# Altium PCB top_INA_v3.PcbDoc (part 4 of 5) (continued)
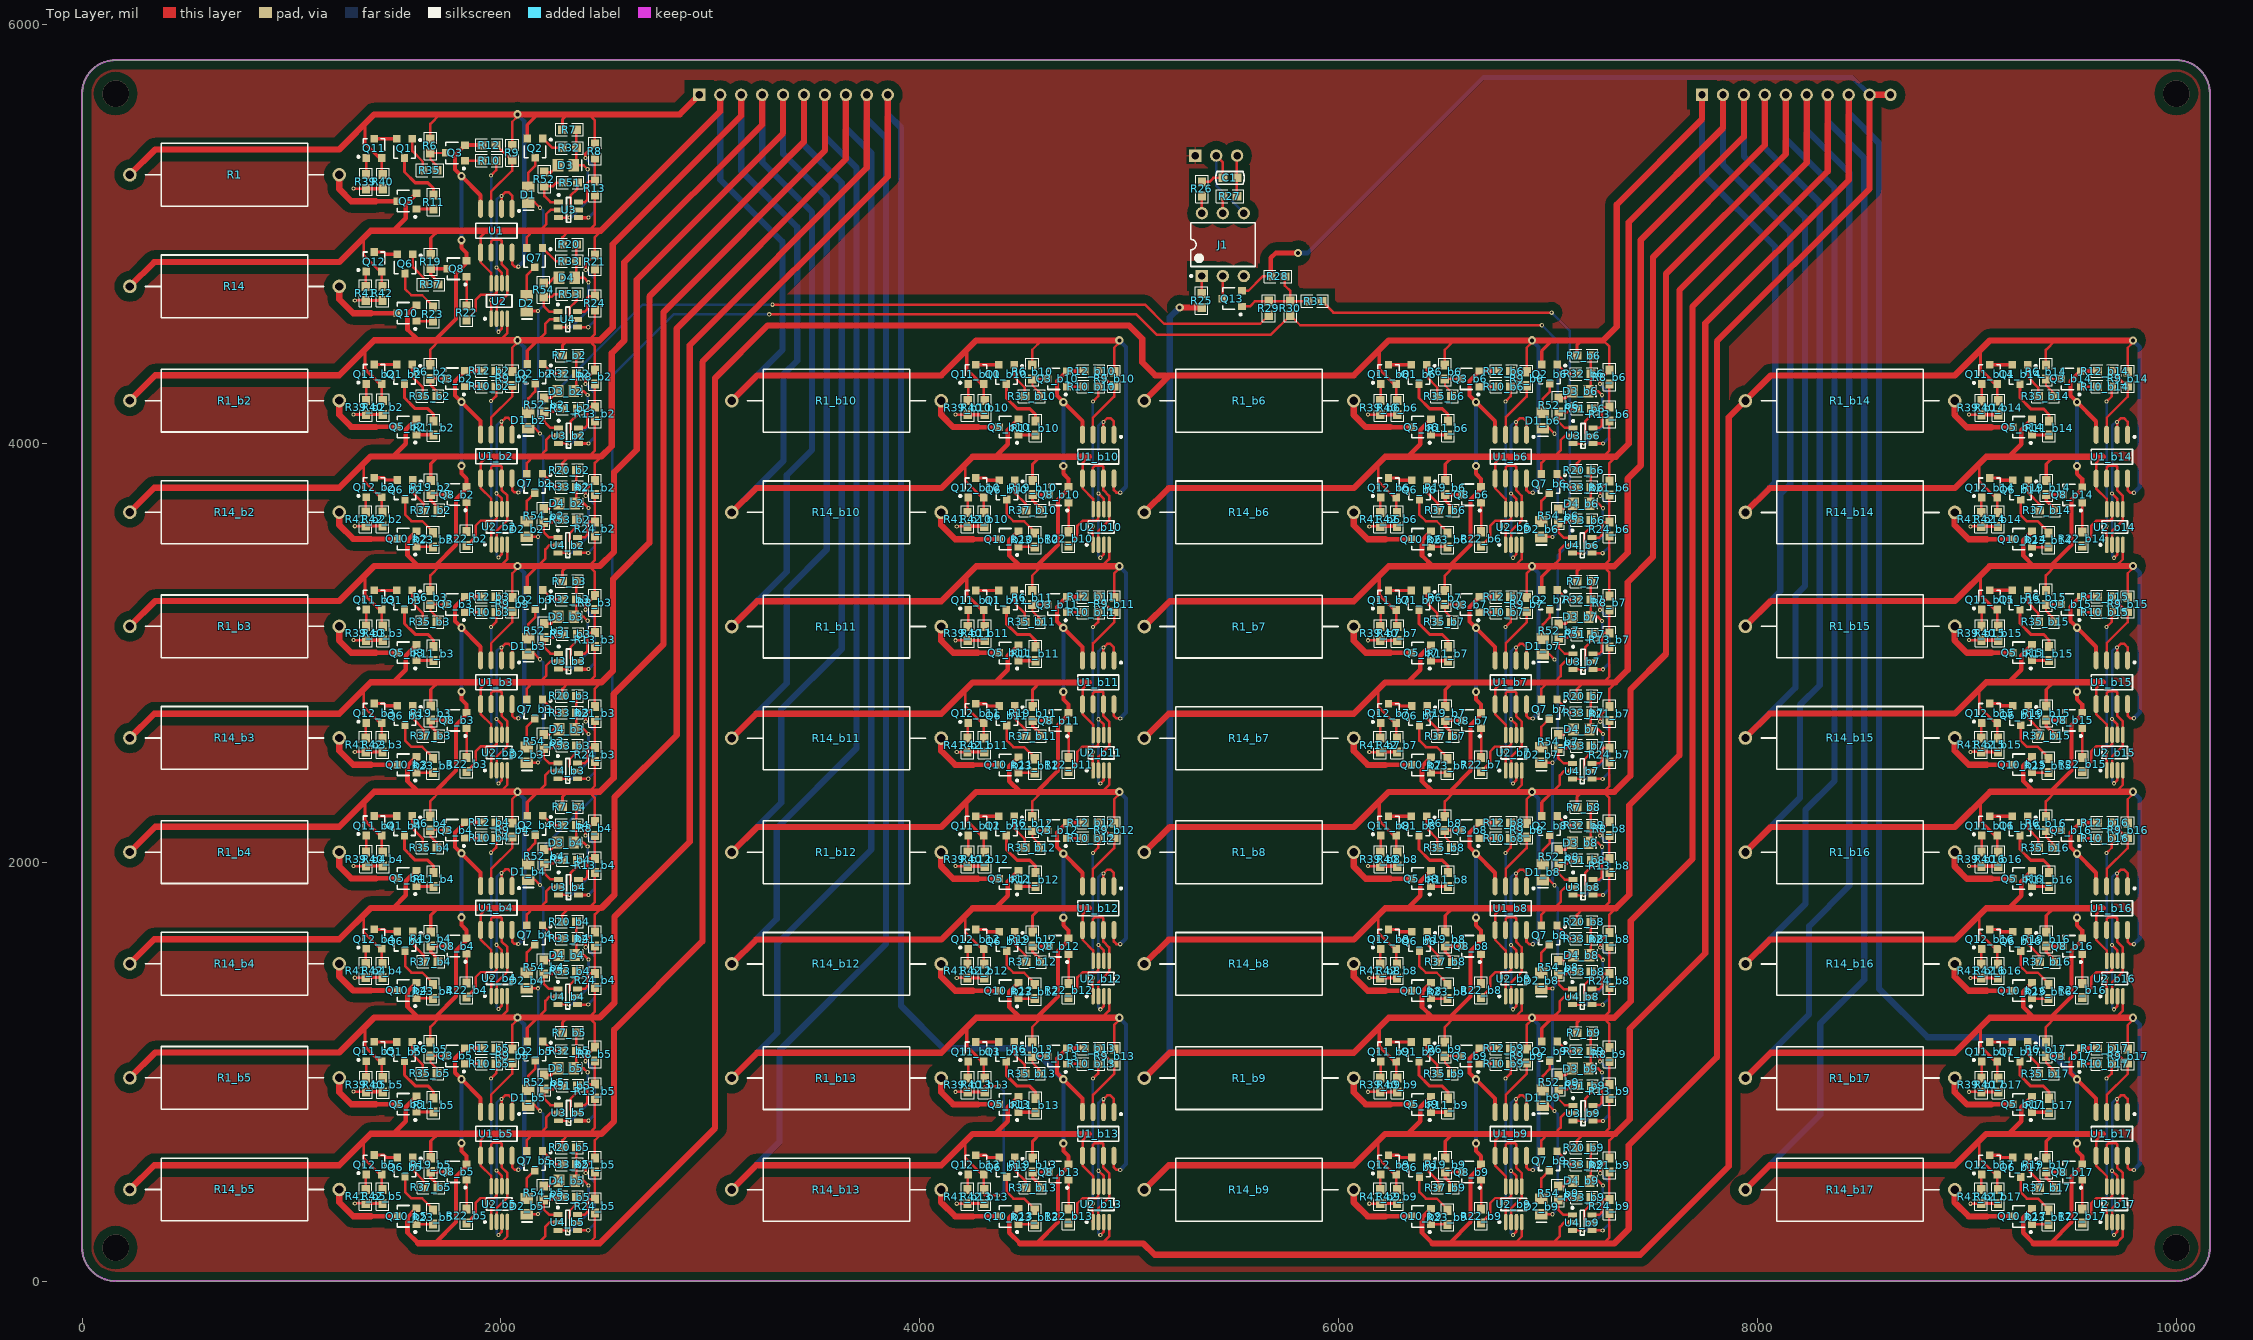
[diagram p0: Top Layer view]
## Nets (pads, with @x,y where several pads share a name; then routed paths per layer and width w, separated by ;. In a path a pad name is that pad's centre, name@x,y a point inside that pad or via, vN(x,y) a via of type N, cw(c..) or ccw(c..) an arc to the next point about the centre after c; other vN are vias at no path point) (continued)
NetQ1_b17_3: Q1_b17.3 R11_b17.2 | length 268.8
  Top Layer w15: Q1_b17.3@9253.39,1048.81 9253.39,982.54 9304.86,931.07 9365.25,931.07 9391.99,904.33 R11_b17.2@9391.99,872.8
NetQ2_1: Q2.1 R32.2 | length 111.9
  Top Layer w12: Q2.1@2200.4,5456.26 2245.66,5411 R32.2@2293.54,5411
NetQ2_b2_1: Q2_b2.1 R32_b2.2 | length 111.9
  Top Layer w12: Q2_b2.1@2200.41,4378.19 2245.67,4332.93 R32_b2.2@2293.54,4332.93
NetQ2_b3_1: Q2_b3.1 R32_b3.2 | length 111.9
  Top Layer w12: Q2_b3.1@2200.41,3300.19 2245.67,3254.93 R32_b3.2@2293.54,3254.93
NetQ2_b4_1: Q2_b4.1 R32_b4.2 | length 111.9
  Top Layer w12: Q2_b4.1@2200.41,2222.19 2245.67,2176.93 R32_b4.2@2293.54,2176.93
NetQ2_b5_1: Q2_b5.1 R32_b5.2 | length 111.9
  Top Layer w12: Q2_b5.1@2200.41,1144.19 2245.67,1098.93 R32_b5.2@2293.54,1098.93
NetQ2_b6_1: Q2_b6.1 R32_b6.2 | length 111.9
  Top Layer w12: Q2_b6.1@7044.4,4377.26 7089.66,4332 R32_b6.2@7137.54,4332
NetQ2_b7_1: Q2_b7.1 R32_b7.2 | length 111.9
  Top Layer w12: Q2_b7.1@7044.4,3299.26 7089.66,3254 R32_b7.2@7137.54,3254
NetQ2_b8_1: Q2_b8.1 R32_b8.2 | length 111.9
  Top Layer w12: Q2_b8.1@7044.4,2221.26 7089.66,2176 R32_b8.2@7137.54,2176
NetQ2_b9_1: Q2_b9.1 R32_b9.2 | length 111.9
  Top Layer w12: Q2_b9.1@7044.4,1143.26 7089.66,1098 R32_b9.2@7137.54,1098
NetQ2_b10_1: 
NetQ2_b11_1: 
NetQ2_b12_1: 
NetQ2_b13_1: 
NetQ2_b14_1: 
NetQ2_b15_1: 
NetQ2_b16_1: 
NetQ2_b17_1: 
NetQ3_1: Q3.1 R10.1 | length 80.9
  Top Layer w12: Q3.1@1828.98,5349.61 R10.1@1909.86,5349.61
NetQ3_3: Q3.3 R6.1 R35.1 | length 169
  Top Layer w10: R35.1@1694.32,5304.07 1694.32,5325.61 1663.26,5356.67 1663.26,5387.01 Q3.3@1736.46,5387.01
NetQ3_b2_1: Q3_b2.1 R10_b2.1 | length 80.9
  Top Layer w12: Q3_b2.1@1828.99,4271.54 R10_b2.1@1909.87,4271.54
NetQ3_b2_3: Q3_b2.3 R6_b2.1 R35_b2.1 | length 169
  Top Layer w10: R35_b2.1@1694.33,4226 1694.33,4247.54 1663.27,4278.6 1663.27,4308.94 Q3_b2.3@1736.47,4308.94
NetQ3_b3_1: Q3_b3.1 R10_b3.1 | length 80.9
  Top Layer w12: Q3_b3.1@1828.99,3193.54 R10_b3.1@1909.87,3193.54
NetQ3_b3_3: Q3_b3.3 R6_b3.1 R35_b3.1 | length 169
  Top Layer w10: R35_b3.1@1694.33,3148 1694.33,3169.54 1663.27,3200.6 1663.27,3230.94 Q3_b3.3@1736.47,3230.94
NetQ3_b4_1: Q3_b4.1 R10_b4.1 | length 80.9
  Top Layer w12: Q3_b4.1@1828.99,2115.54 R10_b4.1@1909.87,2115.54
NetQ3_b4_3: Q3_b4.3 R6_b4.1 R35_b4.1 | length 169
  Top Layer w10: R35_b4.1@1694.33,2070 1694.33,2091.54 1663.27,2122.6 1663.27,2152.94 Q3_b4.3@1736.47,2152.94
NetQ3_b5_1: Q3_b5.1 R10_b5.1 | length 80.9
  Top Layer w12: Q3_b5.1@1828.99,1037.54 R10_b5.1@1909.87,1037.54
NetQ3_b5_3: Q3_b5.3 R6_b5.1 R35_b5.1 | length 169
  Top Layer w10: R35_b5.1@1694.33,992 1694.33,1013.54 1663.27,1044.6 1663.27,1074.94 Q3_b5.3@1736.47,1074.94
NetQ3_b6_1: Q3_b6.1 R10_b6.1 | length 80.9
  Top Layer w12: Q3_b6.1@6672.98,4270.61 R10_b6.1@6753.86,4270.61
NetQ3_b6_3: Q3_b6.3 R6_b6.1 R35_b6.1 | length 169
  Top Layer w10: R35_b6.1@6538.32,4225.07 6538.32,4246.61 6507.26,4277.67 6507.26,4308.01 Q3_b6.3@6580.46,4308.01
NetQ3_b7_1: Q3_b7.1 R10_b7.1 | length 80.9
  Top Layer w12: Q3_b7.1@6672.98,3192.61 R10_b7.1@6753.86,3192.61
NetQ3_b7_3: Q3_b7.3 R6_b7.1 R35_b7.1 | length 169
  Top Layer w10: R35_b7.1@6538.32,3147.07 6538.32,3168.61 6507.26,3199.67 6507.26,3230.01 Q3_b7.3@6580.46,3230.01
NetQ3_b8_1: Q3_b8.1 R10_b8.1 | length 80.9
  Top Layer w12: Q3_b8.1@6672.98,2114.61 R10_b8.1@6753.86,2114.61
NetQ3_b8_3: Q3_b8.3 R6_b8.1 R35_b8.1 | length 169
  Top Layer w10: R35_b8.1@6538.32,2069.07 6538.32,2090.61 6507.26,2121.67 6507.26,2152.01 Q3_b8.3@6580.46,2152.01
NetQ3_b9_1: Q3_b9.1 R10_b9.1 | length 80.9
  Top Layer w12: Q3_b9.1@6672.98,1036.61 R10_b9.1@6753.86,1036.61
NetQ3_b9_3: Q3_b9.3 R6_b9.1 R35_b9.1 | length 169
  Top Layer w10: R35_b9.1@6538.32,991.07 6538.32,1012.61 6507.26,1043.67 6507.26,1074.01 Q3_b9.3@6580.46,1074.01
NetQ3_b10_1: Q3_b10.1 R10_b10.1 | length 80.9
  Top Layer w12: Q3_b10.1@4702.98,4270.61 R10_b10.1@4783.86,4270.61
NetQ3_b10_3: Q3_b10.3 R6_b10.1 R35_b10.1 | length 169
  Top Layer w10: R35_b10.1@4568.32,4225.07 4568.32,4246.61 4537.26,4277.67 4537.26,4308.01 Q3_b10.3@4610.46,4308.01
NetQ3_b11_1: Q3_b11.1 R10_b11.1 | length 80.9
  Top Layer w12: Q3_b11.1@4702.98,3192.61 R10_b11.1@4783.86,3192.61
NetQ3_b11_3: Q3_b11.3 R6_b11.1 R35_b11.1 | length 169
  Top Layer w10: R35_b11.1@4568.32,3147.07 4568.32,3168.61 4537.26,3199.67 4537.26,3230.01 Q3_b11.3@4610.46,3230.01
NetQ3_b12_1: Q3_b12.1 R10_b12.1 | length 80.9
  Top Layer w12: Q3_b12.1@4702.98,2114.61 R10_b12.1@4783.86,2114.61
NetQ3_b12_3: Q3_b12.3 R6_b12.1 R35_b12.1 | length 169
  Top Layer w10: R35_b12.1@4568.32,2069.07 4568.32,2090.61 4537.26,2121.67 4537.26,2152.01 Q3_b12.3@4610.46,2152.01
NetQ3_b13_1: Q3_b13.1 R10_b13.1 | length 80.9
  Top Layer w12: Q3_b13.1@4702.98,1036.61 R10_b13.1@4783.86,1036.61
NetQ3_b13_3: Q3_b13.3 R6_b13.1 R35_b13.1 | length 169
  Top Layer w10: R35_b13.1@4568.32,991.07 4568.32,1012.61 4537.26,1043.67 4537.26,1074.01 Q3_b13.3@4610.46,1074.01
NetQ3_b14_1: Q3_b14.1 R10_b14.1 | length 80.9
  Top Layer w12: Q3_b14.1@9542.98,4270.35 R10_b14.1@9623.86,4270.35
NetQ3_b14_3: Q3_b14.3 R6_b14.1 R35_b14.1 | length 169
  Top Layer w10: R35_b14.1@9408.32,4224.81 9408.32,4246.35 9377.26,4277.41 9377.26,4307.75 Q3_b14.3@9450.46,4307.75
NetQ3_b15_1: Q3_b15.1 R10_b15.1 | length 80.9
  Top Layer w12: Q3_b15.1@9542.98,3193.61 R10_b15.1@9623.86,3193.61
NetQ3_b15_3: Q3_b15.3 R6_b15.1 R35_b15.1 | length 169
  Top Layer w10: R35_b15.1@9408.32,3148.07 9408.32,3169.61 9377.26,3200.67 9377.26,3231.01 Q3_b15.3@9450.46,3231.01
NetQ3_b16_1: Q3_b16.1 R10_b16.1 | length 80.9
  Top Layer w12: Q3_b16.1@9542.98,2114.61 R10_b16.1@9623.86,2114.61
NetQ3_b16_3: Q3_b16.3 R6_b16.1 R35_b16.1 | length 169
  Top Layer w10: R35_b16.1@9408.32,2069.07 9408.32,2090.61 9377.26,2121.67 9377.26,2152.01 Q3_b16.3@9450.46,2152.01
NetQ3_b17_1: Q3_b17.1 R10_b17.1 | length 80.9
  Top Layer w12: Q3_b17.1@9542.98,1036.61 R10_b17.1@9623.86,1036.61
NetQ3_b17_3: Q3_b17.3 R6_b17.1 R35_b17.1 | length 169
  Top Layer w10: R35_b17.1@9408.32,991.07 9408.32,1012.61 9377.26,1043.67 9377.26,1074.01 Q3_b17.3@9450.46,1074.01
NetQ5_1: Q5.1 R11.1 | length 80.5
  Top Layer w15: Q5.1@1597.46,5118.87 R11.1@1677.99,5118.87
NetQ5_3: Q5.3 R1.1 | length 368.5
  Top Layer w22: 1402.72,5156.61 Q5.3@1504.6,5156.61
  Top Layer w30: R1.1@1227.99,5282.33 1227.99,5214.33 1285.72,5156.61 1402.72,5156.61
NetQ5_b2_1: Q5_b2.1 R11_b2.1 | length 80.5
  Top Layer w15: Q5_b2.1@1597.46,4040.8 R11_b2.1@1678,4040.8
NetQ5_b2_3: Q5_b2.3 R1_b2.1 | length 368.5
  Top Layer w22: 1402.72,4078.54 Q5_b2.3@1504.61,4078.54
  Top Layer w30: R1_b2.1@1228,4204.26 1228,4136.26 1285.72,4078.54 1402.72,4078.54
NetQ5_b3_1: Q5_b3.1 R11_b3.1 | length 80.5
  Top Layer w15: Q5_b3.1@1597.46,2962.8 R11_b3.1@1678,2962.8
NetQ5_b3_3: Q5_b3.3 R1_b3.1 | length 368.5
  Top Layer w22: 1402.72,3000.54 Q5_b3.3@1504.61,3000.54
  Top Layer w30: R1_b3.1@1228,3126.26 1228,3058.26 1285.72,3000.54 1402.72,3000.54
NetQ5_b4_1: Q5_b4.1 R11_b4.1 | length 80.5
  Top Layer w15: Q5_b4.1@1597.46,1884.8 R11_b4.1@1678,1884.8
NetQ5_b4_3: Q5_b4.3 R1_b4.1 | length 368.5
  Top Layer w22: 1402.72,1922.54 Q5_b4.3@1504.61,1922.54
  Top Layer w30: R1_b4.1@1228,2048.26 1228,1980.26 1285.72,1922.54 1402.72,1922.54
NetQ5_b5_1: Q5_b5.1 R11_b5.1 | length 80.5
  Top Layer w15: Q5_b5.1@1597.46,806.8 R11_b5.1@1678,806.8
NetQ5_b5_3: Q5_b5.3 R1_b5.1 | length 368.5
  Top Layer w22: 1402.72,844.54 Q5_b5.3@1504.61,844.54
  Top Layer w30: R1_b5.1@1228,970.26 1228,902.26 1285.72,844.54 1402.72,844.54
NetQ5_b6_1: Q5_b6.1 R11_b6.1 | length 80.5
  Top Layer w15: Q5_b6.1@6441.46,4039.87 R11_b6.1@6521.99,4039.87
NetQ5_b6_3: Q5_b6.3 R1_b6.1 | length 368.5
  Top Layer w22: 6246.72,4077.61 Q5_b6.3@6348.6,4077.61
  Top Layer w30: R1_b6.1@6071.99,4203.33 6071.99,4135.33 6129.72,4077.61 6246.72,4077.61
NetQ5_b7_1: Q5_b7.1 R11_b7.1 | length 80.5
  Top Layer w15: Q5_b7.1@6441.46,2961.87 R11_b7.1@6521.99,2961.87
NetQ5_b7_3: Q5_b7.3 R1_b7.1 | length 368.5
  Top Layer w22: 6246.72,2999.61 Q5_b7.3@6348.6,2999.61
  Top Layer w30: R1_b7.1@6071.99,3125.33 6071.99,3057.33 6129.72,2999.61 6246.72,2999.61
NetQ5_b8_1: Q5_b8.1 R11_b8.1 | length 80.5
  Top Layer w15: Q5_b8.1@6441.46,1883.87 R11_b8.1@6521.99,1883.87
NetQ5_b8_3: Q5_b8.3 R1_b8.1 | length 368.5
  Top Layer w22: 6246.72,1921.61 Q5_b8.3@6348.6,1921.61
  Top Layer w30: R1_b8.1@6071.99,2047.33 6071.99,1979.33 6129.72,1921.61 6246.72,1921.61
NetQ5_b9_1: Q5_b9.1 R11_b9.1 | length 80.5
  Top Layer w15: Q5_b9.1@6441.46,805.87 R11_b9.1@6521.99,805.87
NetQ5_b9_3: Q5_b9.3 R1_b9.1 | length 368.5
  Top Layer w22: 6246.72,843.61 Q5_b9.3@6348.6,843.61
  Top Layer w30: R1_b9.1@6071.99,969.33 6071.99,901.33 6129.72,843.61 6246.72,843.61
NetQ5_b10_1: Q5_b10.1 R11_b10.1 | length 80.5
  Top Layer w15: Q5_b10.1@4471.46,4039.87 R11_b10.1@4551.99,4039.87
NetQ5_b10_3: Q5_b10.3 R1_b10.1 | length 368.5
  Top Layer w22: 4276.72,4077.61 Q5_b10.3@4378.6,4077.61
  Top Layer w30: R1_b10.1@4101.99,4203.33 4101.99,4135.33 4159.72,4077.61 4276.72,4077.61
NetQ5_b11_1: Q5_b11.1 R11_b11.1 | length 80.5
  Top Layer w15: Q5_b11.1@4471.46,2961.87 R11_b11.1@4551.99,2961.87
NetQ5_b11_3: Q5_b11.3 R1_b11.1 | length 368.5
  Top Layer w22: 4276.72,2999.61 Q5_b11.3@4378.6,2999.61
  Top Layer w30: R1_b11.1@4101.99,3125.33 4101.99,3057.33 4159.72,2999.61 4276.72,2999.61
NetQ5_b12_1: Q5_b12.1 R11_b12.1 | length 80.5
  Top Layer w15: Q5_b12.1@4471.46,1883.87 R11_b12.1@4551.99,1883.87
NetQ5_b12_3: Q5_b12.3 R1_b12.1 | length 368.5
  Top Layer w22: 4276.72,1921.61 Q5_b12.3@4378.6,1921.61
  Top Layer w30: R1_b12.1@4101.99,2047.33 4101.99,1979.33 4159.72,1921.61 4276.72,1921.61
NetQ5_b13_1: Q5_b13.1 R11_b13.1 | length 80.5
  Top Layer w15: Q5_b13.1@4471.46,805.87 R11_b13.1@4551.99,805.87
NetQ5_b13_3: Q5_b13.3 R1_b13.1 | length 368.5
  Top Layer w22: 4276.72,843.61 Q5_b13.3@4378.6,843.61
  Top Layer w30: R1_b13.1@4101.99,969.33 4101.99,901.33 4159.72,843.61 4276.72,843.61
NetQ5_b14_1: Q5_b14.1 R11_b14.1 | length 80.5
  Top Layer w15: Q5_b14.1@9311.46,4039.61 R11_b14.1@9391.99,4039.61
NetQ5_b14_3: Q5_b14.3 R1_b14.1 | length 368.5
  Top Layer w22: 9116.72,4077.35 Q5_b14.3@9218.6,4077.35
  Top Layer w30: R1_b14.1@8941.99,4203.07 8941.99,4135.07 8999.72,4077.35 9116.72,4077.35
NetQ5_b15_1: Q5_b15.1 R11_b15.1 | length 80.5
  Top Layer w15: Q5_b15.1@9311.46,2962.87 R11_b15.1@9391.99,2962.87
NetQ5_b15_3: Q5_b15.3 R1_b15.1 | length 368.5
  Top Layer w22: 9116.72,3000.61 Q5_b15.3@9218.6,3000.61
  Top Layer w30: R1_b15.1@8941.99,3126.33 8941.99,3058.33 8999.72,3000.61 9116.72,3000.61
NetQ5_b16_1: Q5_b16.1 R11_b16.1 | length 80.5
  Top Layer w15: Q5_b16.1@9311.46,1883.87 R11_b16.1@9391.99,1883.87
NetQ5_b16_3: Q5_b16.3 R1_b16.1 | length 368.5
  Top Layer w22: 9116.72,1921.61 Q5_b16.3@9218.6,1921.61
  Top Layer w30: R1_b16.1@8941.99,2047.33 8941.99,1979.33 8999.72,1921.61 9116.72,1921.61
NetQ5_b17_1: Q5_b17.1 R11_b17.1 | length 80.5
  Top Layer w15: Q5_b17.1@9311.46,805.87 R11_b17.1@9391.99,805.87
NetQ5_b17_3: Q5_b17.3 R1_b17.1 | length 368.5
  Top Layer w22: 9116.72,843.61 Q5_b17.3@9218.6,843.61
  Top Layer w30: R1_b17.1@8941.99,969.33 8941.99,901.33 8999.72,843.61 9116.72,843.61
NetQ6_1: Q6.1 R37.2 | length 165.8
  Top Layer w12: Q6.1@1579.26,4902.87 1579.26,4841.67 1632.39,4788.54 R37.2@1632.39,4759.07
NetQ6_2: Q6.2 Q12.3 | length 114.9
  Top Layer w15: Q12.3@1393.99,4913.59 1441.73,4913.59 1452.46,4902.87 Q6.2@1504.46,4902.87
NetQ6_3: Q6.3 R23.2 | length 244.9
  Top Layer w12: Q6.3@1541.86,4810.35 1541.86,4737.61 1572.39,4707.07 1624.24,4707.07 1675.24,4656.07 R23.2@1675.24,4651.07
NetQ6_b2_1: Q6_b2.1 R37_b2.2 | length 165.8
  Top Layer w12: Q6_b2.1@1579.27,3824.8 1579.27,3763.6 1632.4,3710.46 R37_b2.2@1632.4,3681
NetQ6_b2_2: Q6_b2.2 Q12_b2.3 | length 114.9
  Top Layer w15: Q12_b2.3@1394,3835.52 1441.74,3835.52 1452.46,3824.8 Q6_b2.2@1504.46,3824.8
NetQ6_b2_3: Q6_b2.3 R23_b2.2 | length 244.9
  Top Layer w12: Q6_b2.3@1541.87,3732.28 1541.87,3659.54 1572.4,3629 1624.25,3629 1675.25,3578 R23_b2.2@1675.25,3573
NetQ6_b3_1: Q6_b3.1 R37_b3.2 | length 165.8
  Top Layer w12: Q6_b3.1@1579.27,2746.8 1579.27,2685.6 1632.4,2632.46 R37_b3.2@1632.4,2603
NetQ6_b3_2: Q6_b3.2 Q12_b3.3 | length 114.9
  Top Layer w15: Q12_b3.3@1394,2757.52 1441.74,2757.52 1452.46,2746.8 Q6_b3.2@1504.46,2746.8
NetQ6_b3_3: Q6_b3.3 R23_b3.2 | length 244.9
  Top Layer w12: Q6_b3.3@1541.87,2654.28 1541.87,2581.54 1572.4,2551 1624.25,2551 1675.25,2500 R23_b3.2@1675.25,2495
NetQ6_b4_1: Q6_b4.1 R37_b4.2 | length 165.8
  Top Layer w12: Q6_b4.1@1579.27,1668.8 1579.27,1607.6 1632.4,1554.46 R37_b4.2@1632.4,1525
NetQ6_b4_2: Q6_b4.2 Q12_b4.3 | length 114.9
  Top Layer w15: Q12_b4.3@1394,1679.52 1441.74,1679.52 1452.46,1668.8 Q6_b4.2@1504.46,1668.8
NetQ6_b4_3: Q6_b4.3 R23_b4.2 | length 244.9
  Top Layer w12: Q6_b4.3@1541.87,1576.28 1541.87,1503.54 1572.4,1473 1624.25,1473 1675.25,1422 R23_b4.2@1675.25,1417
NetQ6_b5_1: Q6_b5.1 R37_b5.2 | length 165.8
  Top Layer w12: Q6_b5.1@1579.27,590.8 1579.27,529.6 1632.4,476.46 R37_b5.2@1632.4,447
NetQ6_b5_2: Q6_b5.2 Q12_b5.3 | length 114.9
  Top Layer w15: Q12_b5.3@1394,601.52 1441.74,601.52 1452.46,590.8 Q6_b5.2@1504.46,590.8
NetQ6_b5_3: Q6_b5.3 R23_b5.2 | length 244.9
  Top Layer w12: Q6_b5.3@1541.87,498.28 1541.87,425.54 1572.4,395 1624.25,395 1675.25,344 R23_b5.2@1675.25,339
NetQ6_b6_1: Q6_b6.1 R37_b6.2 | length 165.8
  Top Layer w12: Q6_b6.1@6423.26,3823.87 6423.26,3762.67 6476.39,3709.54 R37_b6.2@6476.39,3680.07
NetQ6_b6_2: Q6_b6.2 Q12_b6.3 | length 114.9
  Top Layer w15: Q12_b6.3@6237.99,3834.59 6285.73,3834.59 6296.46,3823.87 Q6_b6.2@6348.46,3823.87
NetQ6_b6_3: Q6_b6.3 R23_b6.2 | length 244.9
  Top Layer w12: Q6_b6.3@6385.86,3731.35 6385.86,3658.61 6416.39,3628.07 6468.24,3628.07 6519.24,3577.07 R23_b6.2@6519.24,3572.07
NetQ6_b7_1: Q6_b7.1 R37_b7.2 | length 165.8
  Top Layer w12: Q6_b7.1@6423.26,2745.87 6423.26,2684.67 6476.39,2631.54 R37_b7.2@6476.39,2602.07
NetQ6_b7_2: Q6_b7.2 Q12_b7.3 | length 114.9
  Top Layer w15: Q12_b7.3@6237.99,2756.59 6285.73,2756.59 6296.46,2745.87 Q6_b7.2@6348.46,2745.87
NetQ6_b7_3: Q6_b7.3 R23_b7.2 | length 244.9
  Top Layer w12: Q6_b7.3@6385.86,2653.35 6385.86,2580.61 6416.39,2550.07 6468.24,2550.07 6519.24,2499.07 R23_b7.2@6519.24,2494.07
NetQ6_b8_1: Q6_b8.1 R37_b8.2 | length 165.8
  Top Layer w12: Q6_b8.1@6423.26,1667.87 6423.26,1606.67 6476.39,1553.54 R37_b8.2@6476.39,1524.07
NetQ6_b8_2: Q6_b8.2 Q12_b8.3 | length 114.9
  Top Layer w15: Q12_b8.3@6237.99,1678.59 6285.73,1678.59 6296.46,1667.87 Q6_b8.2@6348.46,1667.87
NetQ6_b8_3: Q6_b8.3 R23_b8.2 | length 244.9
  Top Layer w12: Q6_b8.3@6385.86,1575.35 6385.86,1502.61 6416.39,1472.07 6468.24,1472.07 6519.24,1421.07 R23_b8.2@6519.24,1416.07
NetQ6_b9_1: Q6_b9.1 R37_b9.2 | length 165.8
  Top Layer w12: Q6_b9.1@6423.26,589.87 6423.26,528.67 6476.39,475.54 R37_b9.2@6476.39,446.07
NetQ6_b9_2: Q6_b9.2 Q12_b9.3 | length 114.9
  Top Layer w15: Q12_b9.3@6237.99,600.59 6285.73,600.59 6296.46,589.87 Q6_b9.2@6348.46,589.87
NetQ6_b9_3: Q6_b9.3 R23_b9.2 | length 244.9
  Top Layer w12: Q6_b9.3@6385.86,497.35 6385.86,424.61 6416.39,394.07 6468.24,394.07 6519.24,343.07 R23_b9.2@6519.24,338.07
NetQ6_b10_1: Q6_b10.1 R37_b10.2 | length 165.8
  Top Layer w12: Q6_b10.1@4453.26,3823.87 4453.26,3762.67 4506.39,3709.54 R37_b10.2@4506.39,3680.07
NetQ6_b10_2: Q6_b10.2 Q12_b10.3 | length 114.9
  Top Layer w15: Q12_b10.3@4267.99,3834.59 4315.73,3834.59 4326.46,3823.87 Q6_b10.2@4378.46,3823.87
NetQ6_b10_3: Q6_b10.3 R23_b10.2 | length 244.9
  Top Layer w12: Q6_b10.3@4415.86,3731.35 4415.86,3658.61 4446.39,3628.07 4498.24,3628.07 4549.24,3577.07 R23_b10.2@4549.24,3572.07
NetQ6_b11_1: Q6_b11.1 R37_b11.2 | length 165.8
  Top Layer w12: Q6_b11.1@4453.26,2745.87 4453.26,2684.67 4506.39,2631.54 R37_b11.2@4506.39,2602.07
NetQ6_b11_2: Q6_b11.2 Q12_b11.3 | length 114.9
  Top Layer w15: Q12_b11.3@4267.99,2756.59 4315.73,2756.59 4326.46,2745.87 Q6_b11.2@4378.46,2745.87
NetQ6_b11_3: Q6_b11.3 R23_b11.2 | length 244.9
  Top Layer w12: Q6_b11.3@4415.86,2653.35 4415.86,2580.61 4446.39,2550.07 4498.24,2550.07 4549.24,2499.07 R23_b11.2@4549.24,2494.07
NetQ6_b12_1: Q6_b12.1 R37_b12.2 | length 165.8
  Top Layer w12: Q6_b12.1@4453.26,1667.87 4453.26,1606.67 4506.39,1553.54 R37_b12.2@4506.39,1524.07
NetQ6_b12_2: Q6_b12.2 Q12_b12.3 | length 114.9
  Top Layer w15: Q12_b12.3@4267.99,1678.59 4315.73,1678.59 4326.46,1667.87 Q6_b12.2@4378.46,1667.87
NetQ6_b12_3: Q6_b12.3 R23_b12.2 | length 244.9
  Top Layer w12: Q6_b12.3@4415.86,1575.35 4415.86,1502.61 4446.39,1472.07 4498.24,1472.07 4549.24,1421.07 R23_b12.2@4549.24,1416.07
NetQ6_b13_1: Q6_b13.1 R37_b13.2 | length 165.8
  Top Layer w12: Q6_b13.1@4453.26,589.87 4453.26,528.67 4506.39,475.54 R37_b13.2@4506.39,446.07
NetQ6_b13_2: Q6_b13.2 Q12_b13.3 | length 114.9
  Top Layer w15: Q12_b13.3@4267.99,600.59 4315.73,600.59 4326.46,589.87 Q6_b13.2@4378.46,589.87
NetQ6_b13_3: Q6_b13.3 R23_b13.2 | length 244.9
  Top Layer w12: Q6_b13.3@4415.86,497.35 4415.86,424.61 4446.39,394.07 4498.24,394.07 4549.24,343.07 R23_b13.2@4549.24,338.07
NetQ6_b14_1: Q6_b14.1 R37_b14.2 | length 165.8
  Top Layer w12: Q6_b14.1@9293.26,3823.61 9293.26,3762.41 9346.39,3709.28 R37_b14.2@9346.39,3679.81
NetQ6_b14_2: Q6_b14.2 Q12_b14.3 | length 114.9
  Top Layer w15: Q12_b14.3@9107.99,3834.33 9155.73,3834.33 9166.46,3823.61 Q6_b14.2@9218.46,3823.61
NetQ6_b14_3: Q6_b14.3 R23_b14.2 | length 244.9
  Top Layer w12: Q6_b14.3@9255.86,3731.09 9255.86,3658.35 9286.39,3627.81 9338.24,3627.81 9389.24,3576.81 R23_b14.2@9389.24,3571.81
NetQ6_b15_1: Q6_b15.1 R37_b15.2 | length 165.8
  Top Layer w12: Q6_b15.1@9293.26,2746.87 9293.26,2685.67 9346.39,2632.54 R37_b15.2@9346.39,2603.07
NetQ6_b15_2: Q6_b15.2 Q12_b15.3 | length 114.9
  Top Layer w15: Q12_b15.3@9107.99,2757.59 9155.73,2757.59 9166.46,2746.87 Q6_b15.2@9218.46,2746.87
NetQ6_b15_3: Q6_b15.3 R23_b15.2 | length 244.9
  Top Layer w12: Q6_b15.3@9255.86,2654.35 9255.86,2581.61 9286.39,2551.07 9338.24,2551.07 9389.24,2500.07 R23_b15.2@9389.24,2495.07
NetQ6_b16_1: Q6_b16.1 R37_b16.2 | length 165.8
  Top Layer w12: Q6_b16.1@9293.26,1667.87 9293.26,1606.67 9346.39,1553.54 R37_b16.2@9346.39,1524.07
NetQ6_b16_2: Q6_b16.2 Q12_b16.3 | length 114.9
  Top Layer w15: Q12_b16.3@9107.99,1678.59 9155.73,1678.59 9166.46,1667.87 Q6_b16.2@9218.46,1667.87
NetQ6_b16_3: Q6_b16.3 R23_b16.2 | length 244.9
  Top Layer w12: Q6_b16.3@9255.86,1575.35 9255.86,1502.61 9286.39,1472.07 9338.24,1472.07 9389.24,1421.07 R23_b16.2@9389.24,1416.07
NetQ6_b17_1: Q6_b17.1 R37_b17.2 | length 165.8
  Top Layer w12: Q6_b17.1@9293.26,589.87 9293.26,528.67 9346.39,475.54 R37_b17.2@9346.39,446.07
NetQ6_b17_2: Q6_b17.2 Q12_b17.3 | length 114.9
  Top Layer w15: Q12_b17.3@9107.99,600.59 9155.73,600.59 9166.46,589.87 Q6_b17.2@9218.46,589.87
NetQ6_b17_3: Q6_b17.3 R23_b17.2 | length 244.9
  Top Layer w12: Q6_b17.3@9255.86,497.35 9255.86,424.61 9286.39,394.07 9338.24,394.07 9389.24,343.07 R23_b17.2@9389.24,338.07
NetQ7_1: Q7.1 R33.2 | length 121.3
  Top Layer w12: Q7.1@2198.4,4933.26 2261.66,4870 R33.2@2293.54,4870
NetQ7_b2_1: Q7_b2.1 R33_b2.2 | length 121.3
  Top Layer w12: Q7_b2.1@2198.41,3855.19 2261.67,3791.93 R33_b2.2@2293.54,3791.93
NetQ7_b3_1: Q7_b3.1 R33_b3.2 | length 121.3
  Top Layer w12: Q7_b3.1@2198.41,2777.19 2261.67,2713.93 R33_b3.2@2293.54,2713.93
NetQ7_b4_1: Q7_b4.1 R33_b4.2 | length 121.3
  Top Layer w12: Q7_b4.1@2198.41,1699.19 2261.67,1635.93 R33_b4.2@2293.54,1635.93
NetQ7_b5_1: Q7_b5.1 R33_b5.2 | length 121.3
  Top Layer w12: Q7_b5.1@2198.41,621.19 2261.67,557.93 R33_b5.2@2293.54,557.93
NetQ7_b6_1: Q7_b6.1 R33_b6.2 | length 121.3
  Top Layer w12: Q7_b6.1@7042.4,3854.26 7105.66,3791 R33_b6.2@7137.54,3791
NetQ7_b7_1: Q7_b7.1 R33_b7.2 | length 121.3
  Top Layer w12: Q7_b7.1@7042.4,2776.26 7105.66,2713 R33_b7.2@7137.54,2713
NetQ7_b8_1: Q7_b8.1 R33_b8.2 | length 121.3
  Top Layer w12: Q7_b8.1@7042.4,1698.26 7105.66,1635 R33_b8.2@7137.54,1635
NetQ7_b9_1: Q7_b9.1 R33_b9.2 | length 121.3
  Top Layer w12: Q7_b9.1@7042.4,620.26 7105.66,557 R33_b9.2@7137.54,557
NetQ7_b10_1: 
NetQ7_b11_1: 
NetQ7_b12_1: 
NetQ7_b13_1: 
NetQ7_b14_1: 
NetQ7_b15_1: 
NetQ7_b16_1: 
NetQ7_b17_1: 
NetQ8_1: Q8.1 R22.2 | length 139.2
  Top Layer w12: R22.2@1835.86,4657.07 1836.12,4657.33 Q8.1@1836.12,4796.21
NetQ8_3: Q8.3 R19.1 R37.1 | length 168.3
  Top Layer w15: R37.1@1699.32,4759.07 1699.32,4771.61 1664.86,4806.07 R19.1@1664.86,4834.14 1665.39,4833.61 Q8.3@1743.6,4833.61
NetQ8_b2_1: Q8_b2.1 R22_b2.2 | length 139.2
  Top Layer w12: R22_b2.2@1835.87,3579 1836.13,3579.26 Q8_b2.1@1836.13,3718.13
NetQ8_b2_3: Q8_b2.3 R19_b2.1 R37_b2.1 | length 168.3
  Top Layer w15: R37_b2.1@1699.33,3681 1699.33,3693.54 1664.87,3728 R19_b2.1@1664.87,3756.07 1665.4,3755.54 Q8_b2.3@1743.61,3755.54
NetQ8_b3_1: Q8_b3.1 R22_b3.2 | length 139.2
  Top Layer w12: R22_b3.2@1835.87,2501 1836.13,2501.26 Q8_b3.1@1836.13,2640.13
NetQ8_b3_3: Q8_b3.3 R19_b3.1 R37_b3.1 | length 168.3
  Top Layer w15: R37_b3.1@1699.33,2603 1699.33,2615.54 1664.87,2650 R19_b3.1@1664.87,2678.07 1665.4,2677.54 Q8_b3.3@1743.61,2677.54
NetQ8_b4_1: Q8_b4.1 R22_b4.2 | length 139.2
  Top Layer w12: R22_b4.2@1835.87,1423 1836.13,1423.26 Q8_b4.1@1836.13,1562.13
NetQ8_b4_3: Q8_b4.3 R19_b4.1 R37_b4.1 | length 168.3
  Top Layer w15: R37_b4.1@1699.33,1525 1699.33,1537.54 1664.87,1572 R19_b4.1@1664.87,1600.07 1665.4,1599.54 Q8_b4.3@1743.61,1599.54
NetQ8_b5_1: Q8_b5.1 R22_b5.2 | length 139.2
  Top Layer w12: R22_b5.2@1835.87,345 1836.13,345.26 Q8_b5.1@1836.13,484.13
NetQ8_b5_3: Q8_b5.3 R19_b5.1 R37_b5.1 | length 168.3
  Top Layer w15: R37_b5.1@1699.33,447 1699.33,459.54 1664.87,494 R19_b5.1@1664.87,522.07 1665.4,521.54 Q8_b5.3@1743.61,521.54
NetQ8_b6_1: Q8_b6.1 R22_b6.2 | length 139.2
  Top Layer w12: R22_b6.2@6679.86,3578.07 6680.12,3578.33 Q8_b6.1@6680.12,3717.21
NetQ8_b6_3: Q8_b6.3 R19_b6.1 R37_b6.1 | length 168.3
  Top Layer w15: R37_b6.1@6543.32,3680.07 6543.32,3692.61 6508.86,3727.07 R19_b6.1@6508.86,3755.14 6509.39,3754.61 Q8_b6.3@6587.6,3754.61
NetQ8_b7_1: Q8_b7.1 R22_b7.2 | length 139.2
  Top Layer w12: R22_b7.2@6679.86,2500.07 6680.12,2500.33 Q8_b7.1@6680.12,2639.21
NetQ8_b7_3: Q8_b7.3 R19_b7.1 R37_b7.1 | length 168.3
  Top Layer w15: R37_b7.1@6543.32,2602.07 6543.32,2614.61 6508.86,2649.07 R19_b7.1@6508.86,2677.14 6509.39,2676.61 Q8_b7.3@6587.6,2676.61
NetQ8_b8_1: Q8_b8.1 R22_b8.2 | length 139.2
  Top Layer w12: R22_b8.2@6679.86,1422.07 6680.12,1422.33 Q8_b8.1@6680.12,1561.21
NetQ8_b8_3: Q8_b8.3 R19_b8.1 R37_b8.1 | length 168.3
  Top Layer w15: R37_b8.1@6543.32,1524.07 6543.32,1536.61 6508.86,1571.07 R19_b8.1@6508.86,1599.14 6509.39,1598.61 Q8_b8.3@6587.6,1598.61
NetQ8_b9_1: Q8_b9.1 R22_b9.2 | length 139.2
  Top Layer w12: R22_b9.2@6679.86,344.07 6680.12,344.33 Q8_b9.1@6680.12,483.21
NetQ8_b9_3: Q8_b9.3 R19_b9.1 R37_b9.1 | length 168.3
  Top Layer w15: R37_b9.1@6543.32,446.07 6543.32,458.61 6508.86,493.07 R19_b9.1@6508.86,521.14 6509.39,520.61 Q8_b9.3@6587.6,520.61
NetQ8_b10_1: Q8_b10.1 R22_b10.2 | length 139.2
  Top Layer w12: R22_b10.2@4709.86,3578.07 4710.12,3578.33 Q8_b10.1@4710.12,3717.21
NetQ8_b10_3: Q8_b10.3 R19_b10.1 R37_b10.1 | length 168.3
  Top Layer w15: R37_b10.1@4573.32,3680.07 4573.32,3692.61 4538.86,3727.07 R19_b10.1@4538.86,3755.14 4539.39,3754.61 Q8_b10.3@4617.6,3754.61
NetQ8_b11_1: Q8_b11.1 R22_b11.2 | length 139.2
  Top Layer w12: R22_b11.2@4709.86,2500.07 4710.12,2500.33 Q8_b11.1@4710.12,2639.21
NetQ8_b11_3: Q8_b11.3 R19_b11.1 R37_b11.1 | length 168.3
  Top Layer w15: R37_b11.1@4573.32,2602.07 4573.32,2614.61 4538.86,2649.07 R19_b11.1@4538.86,2677.14 4539.39,2676.61 Q8_b11.3@4617.6,2676.61
NetQ8_b12_1: Q8_b12.1 R22_b12.2 | length 139.2
  Top Layer w12: R22_b12.2@4709.86,1422.07 4710.12,1422.33 Q8_b12.1@4710.12,1561.21
NetQ8_b12_3: Q8_b12.3 R19_b12.1 R37_b12.1 | length 168.3
  Top Layer w15: R37_b12.1@4573.32,1524.07 4573.32,1536.61 4538.86,1571.07 R19_b12.1@4538.86,1599.14 4539.39,1598.61 Q8_b12.3@4617.6,1598.61
NetQ8_b13_1: Q8_b13.1 R22_b13.2 | length 139.2
  Top Layer w12: R22_b13.2@4709.86,344.07 4710.12,344.33 Q8_b13.1@4710.12,483.21
NetQ8_b13_3: Q8_b13.3 R19_b13.1 R37_b13.1 | length 168.3
  Top Layer w15: R37_b13.1@4573.32,446.07 4573.32,458.61 4538.86,493.07 R19_b13.1@4538.86,521.14 4539.39,520.61 Q8_b13.3@4617.6,520.61
NetQ8_b14_1: Q8_b14.1 R22_b14.2 | length 139.2
  Top Layer w12: R22_b14.2@9549.86,3577.81 9550.12,3578.07 Q8_b14.1@9550.12,3716.95
NetQ8_b14_3: Q8_b14.3 R19_b14.1 R37_b14.1 | length 168.3
  Top Layer w15: R37_b14.1@9413.32,3679.81 9413.32,3692.35 9378.86,3726.81 R19_b14.1@9378.86,3754.88 9379.39,3754.35 Q8_b14.3@9457.6,3754.35
NetQ8_b15_1: Q8_b15.1 R22_b15.2 | length 139.2
  Top Layer w12: R22_b15.2@9549.86,2501.07 9550.12,2501.33 Q8_b15.1@9550.12,2640.21
NetQ8_b15_3: Q8_b15.3 R19_b15.1 R37_b15.1 | length 168.3
  Top Layer w15: R37_b15.1@9413.32,2603.07 9413.32,2615.61 9378.86,2650.07 R19_b15.1@9378.86,2678.14 9379.39,2677.61 Q8_b15.3@9457.6,2677.61
NetQ8_b16_1: Q8_b16.1 R22_b16.2 | length 139.2
  Top Layer w12: R22_b16.2@9549.86,1422.07 9550.12,1422.33 Q8_b16.1@9550.12,1561.21